# Altium PCB WIoT-QC01_V100.PcbDoc (continued)
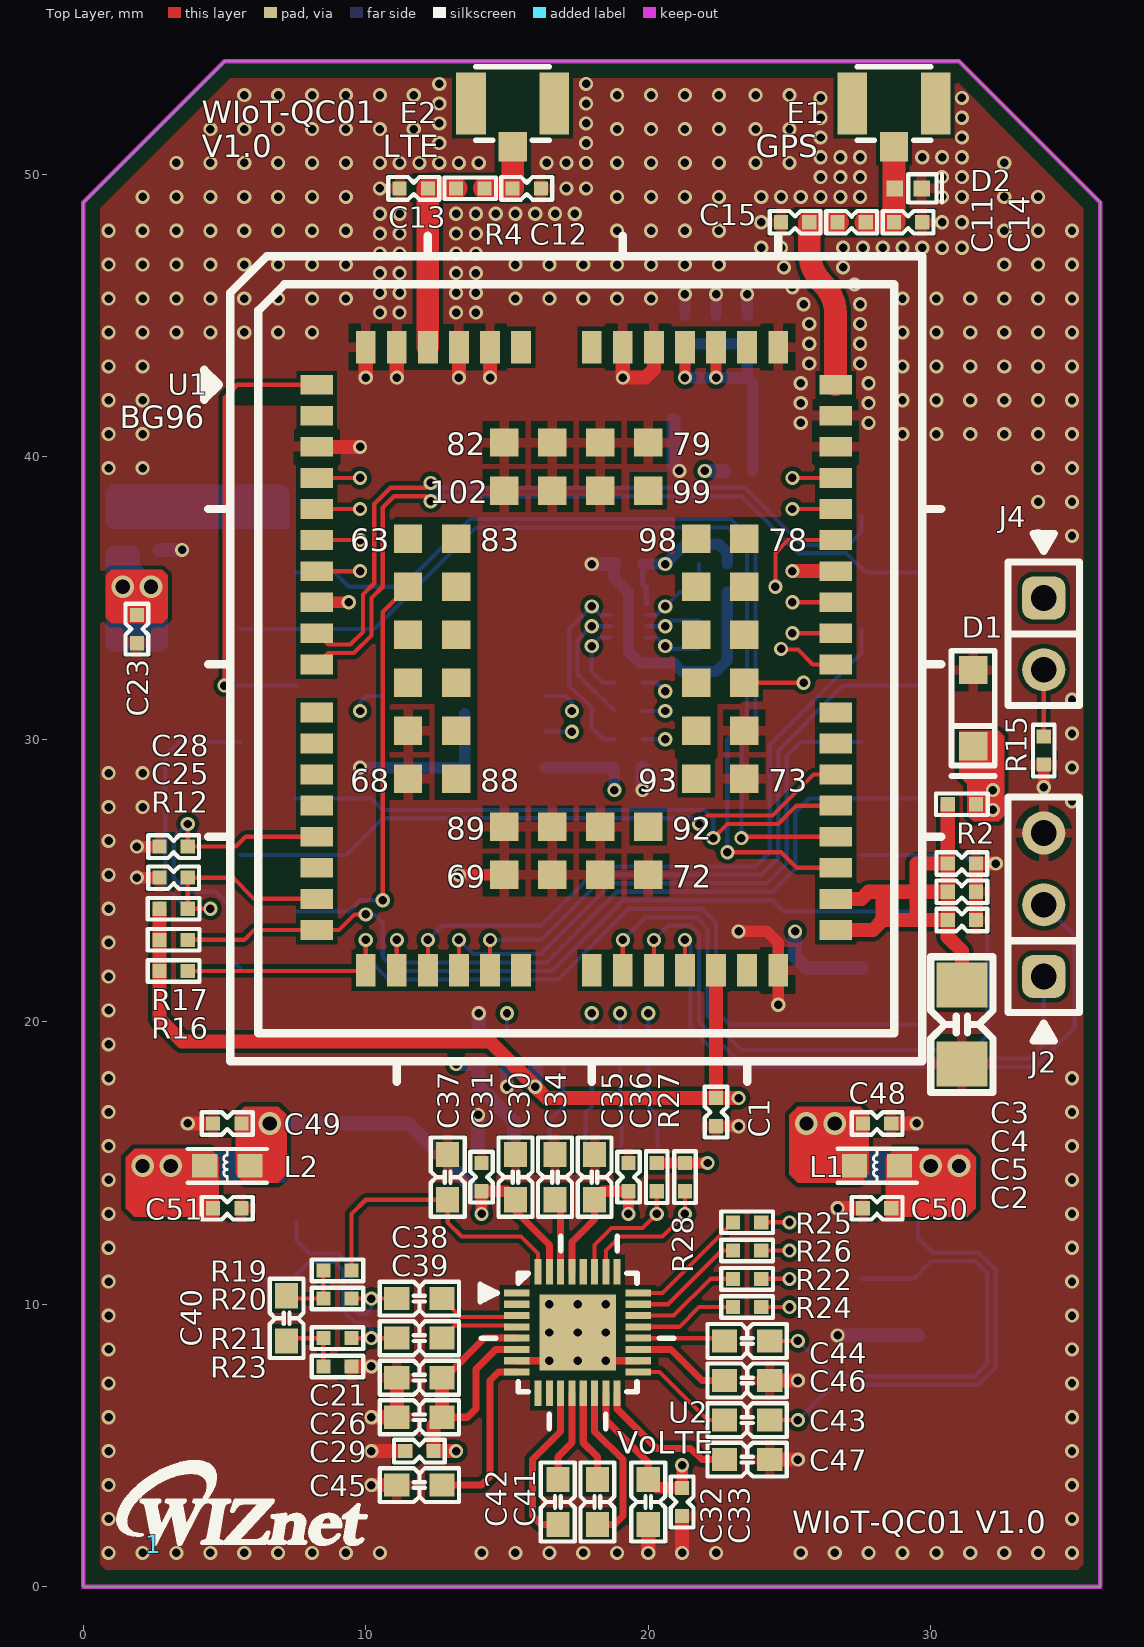
[diagram p0: Top Layer view]
## Footprints (in the part's own frame and the unit in brackets; to place one, negate y for a bottom-side part, rotate by r counter-clockwise, add the part's x,y. Pads: shape width x height; smd on the part's side, far side on the other; paste and mask are expansions set on the pad) (continued)
  rect 1.3x0.45 smd: GND1(-12.86,6.27) GND2(-10.86,6.27) GND4(-12.86,-6.27) GND5(-10.86,-6.27)
  rect 1.7x1.4 smd: GND3(-1.3,6.105) GND6(-1.3,-6.105)
  silkscreen extent -15.45,-6.32 0,6.32, body extent -15.45,-6.52 0,6.53, height 1.41
PWSON08(0.4/1.45X1.8) [mm]
  rect 0.5x0.2 smd: 1(-0.625,0.6) 2(-0.625,0.2) 3(-0.625,-0.2) 4(-0.625,-0.6) 5(0.625,-0.6) 6(0.625,-0.2) 7(0.625,0.2) 8(0.625,0.6)
  rect 0.4x1.2 smd: 9(0,0)
  silkscreen extent -1.1,-0.9 0.72,0.9, body extent -0.66,-0.85 0.66,0.85, height 0.8
QFN32(0.4/4X4) [mm]
  rect 0.9x0.25 smd: 1(-2.15,1.4) 2(-2.15,1) 3(-2.15,0.6) 4(-2.15,0.2) 5(-2.15,-0.2) 6(-2.15,-0.6) 7(-2.15,-1) 8(-2.15,-1.4) 17(2.15,-1.4) 18(2.15,-1) 19(2.15,-0.6) 20(2.15,-0.2) 21(2.15,0.2) 22(2.15,0.6) 23(2.15,1) 24(2.15,1.4)
  rect 0.25x0.9 smd: 9(-1.4,-2.15) 10(-1,-2.15) 11(-0.6,-2.15) 12(-0.2,-2.15) 13(0.2,-2.15) 14(0.6,-2.15) 15(1,-2.15) 16(1.4,-2.15) 25(1.4,2.15) 26(1,2.15) 27(0.6,2.15) 28(0.2,2.15) 29(-0.2,2.15) 30(-0.6,2.15) 31(-1,2.15) 32(-1.4,2.15)
  rect 2.7x2.7 smd: 33(0,0)
  silkscreen extent -3.45,-3.4 3.4,3.4, body extent -2.1,-2.1 2.1,2.1, height 0.76
"QUECTEL CAT M1" [mm]
  rect 3.5x0.89 smd: 1(0,0) 2(-2,-2) 3(0,-4) 4(-2,-6) 5(0,-8) 6(-2,-10) 7(0,-12) 8(-2,-14) 9(0,-16) 10(-2,-18) 11(-22,0) 12(-24,-2) 13(-22,-4) 14(-24,-6) 15(-22,-8) 16(-24,-10) 17(-22,-12) 18(-24,-14) 19(-22,-16) 20(-24,-18)
  silkscreen extent -26.01,-19 2,2
RES-0402 [mm]
  rect 0.5x0.5 smd: 1(-0.5,0) 2(0.5,0)
  silkscreen extent -0.91,-0.38 0.91,0.38, body extent -0.5,-0.25 0.5,0.25, height 0.35
SOD-323 [mm]
  rect 1x1 smd: 1(-1.35,0) 2(1.35,0)
  silkscreen extent -2.03,-0.76 2.4,0.76, body extent -1.35,-0.68 1.35,0.67, height 0.79
SOD-923(1-C,2-A) [mm]
  rect 0.5x0.5 smd: 1(0.5,0.001) 2(-0.5,0.001)
  silkscreen extent -0.89,-0.38 1.14,0.38, body extent -0.52,-0.32 0.53,0.33, height 0.43

## Part data
C1 C3 C4 C5 C7 C8 C9 C23 C24 C25 C28 C48 C49 C50 C51: library part CAP-0805, "Ceramic CAP 0402"
C2 C6 C22: library part CAP, "Electrolytic Capacitors"
C10 C11 C12 C13 C14 C15 C16 C17 C18 C19 C20 C29 C31 C33 C36: library part CAP-0402, "Ceramic CAP 0402(1005)"
C21 C26 C30 C32 C34 C35 C37 C38 C39 C40 C41 C42 C43 C44 C45 C46 C47: library part CAP-0603, "Ceramic CAP 0603(1608)"
D1: library part DIODE-PZ3D4V2H, "Zener 5.1V"
D2: library part DIODE-LXES15AAA1, "Bi-directional TVS diode"
D4: "Uni-directional TVS diode"
E1: library part Antenna, "Generic Antenna"
E2: "Generic Antenna"
J1: library part Xbee_pin-header, "Xbee_pin-header, WizFi310, LoRa, LTE CAT M1"
L1 L2 L3: library part IND-0603, "Inductor 0603(1608)"
P2: "Micro SIM SMT 1.45mm Push/Pull"
R1 R2 R3 R4 R5 R6 R7 R8 R9 R10 R11 R12 R15 R16 R17 R18 R19 R20 R21 R22 R23 R24 R25 R26 R27 R28: library part RES-0402, "RES-0402"
U1: library part BG96_Quectel, "Quectel, BG96, LTE CAT M1 module,"
U2: "AUDIO CODEC with QUECTEL VOLTE"
U4: "ESD Protection SIM"

## Via types
v1: diameter 0.5, hole 0.3, Top Layer to Bottom Layer, tented both sides, 439 vias
v2: diameter 0.8, hole 0.5, Top Layer to Bottom Layer, tented both sides, 9 vias

## Nets (pads, with @x,y where several pads share a name; then routed paths per layer and width w, separated by ;. In a path a pad name is that pad's centre, name@x,y a point inside that pad or via, vN(x,y) a via of type N, cw(c..) or ccw(c..) an arc to the next point about the centre after c; other vN are vias at no path point)
ANT_GNSS: C11.1 C15.2 U1.49 | length 7
  Top Layer w0.8: U1.49 26.63,45.062 ccw(c25.162,45.062) 26.2,46.1 cw(c27.407,47.307) 25.7,47.307 C15.2 C11.1
ANT_MAIN: C13.1 R4.2 U1.60 | length 6.6
  Top Layer w0.8: U1.60 C13.1 R4.2
AP_READY: J1.20 R16.2 U1.19 | length 32.4
  Top Layer w0.15: R16.2 9.98,21.8 U1.19 v1(10,22.9)
  Bottom Layer w0.15: v1(10,22.9) 10,22.3 10.8,21.5 16.8,21.5 19.3,24 21.9,24 22.4,23.5 22.4,20.4 22.9,19.9 J1.20
BOOT: J4.2 R15.1 U1.75 | length 20.1
  Top Layer w0.15: U1.75 v1(25.5,32) ; R15.1 J4.2
  Signal Layer 1 w0.15: v1(25.5,32) 27,32 31.4,36.4 34.7,36.4 35.2,35.9 35.2,33.66 J4.2
CODEC_PCM_CLK: R25.1 U1.4 | length 46
  Top Layer w0.15: U1.4 v1(9.8,39.25) ; R25.1 v1(25,12.9)
  Signal Layer 1 w0.15: v1(9.8,39.25) 10.9,38.15 10.9,33.8 9.2,32.1 9.2,13.1 9.7,12.6 22.3,12.6 22.6,12.9 v1(25,12.9)
CODEC_PCM_IN: R24.1 U1.6 | length 45.4
  Top Layer w0.15: U1.6 v1(9.8,37.05) ; R24.1 v1(25,9.9)
  Signal Layer 1 w0.15: v1(9.8,37.05) 10.3,36.55 10.3,34.2 8.6,32.5 8.6,12.7 9.3,12 22.1,12 24.2,9.9 v1(25,9.9)
CODEC_PCM_OUT: R22.1 U1.7 | length 46.8
  Top Layer w0.15: U1.7 v1(9.8,35.95) ; R22.1 v1(25,10.9)
  Signal Layer 1 w0.15: v1(9.8,35.95) 10,35.75 10,34.4 8.3,32.7 8.3,12.5 9.1,11.7 21.9,11.7 24.2,9.4 25.2,9.4 25.5,9.7 25.5,10.4 v1(25,10.9)
CODEC_PCM_SYNC: R26.1 U1.5 | length 45.3
  Top Layer w0.15: U1.5 v1(9.8,38.15) ; R26.1 v1(25,11.9)
  Signal Layer 1 w0.15: v1(9.8,38.15) 10.6,37.35 10.6,34 8.9,32.3 8.9,12.9 9.5,12.3 22.3,12.3 22.7,11.9 v1(25,11.9)
EXT_1.8V: C21.2 C26.2 C29.2 C32.2 C33.2 C35.2 C36.2 C48.1 L1.2 R27.2 R28.2 U2.5 U2.6 U2.15 U2.29 | length 23.8
  Top Layer w0.25: C26.2 13.6,6 13.9,6.3 13.9,7.7 14.6,8.4 U2.6 ; C21.2 12.8,7.4 14.2,8.8 U2.5 ; U2.29 17.3,12.2 18.1,13 C35.2 ; U2.15 18.5,5.9 20,4.4 C32.2
  Top Layer w0.4: C35.2 18.4,14 C36.2 v1(19.3,13.2) ; C32.2 20.3,3.5 C33.2 v1(21.2,4.3) ; R27.2 R28.2 v1(22.1,15)
  Top Layer w0.5: C21.2 C26.2 12.4,5.7 C29.2 v1(13.2,4.8)
  other v2: 25.6,16.4 26.6,16.4
EXT_3.3V: C30.2 C31.2 C49.1 L2.1 U2.31 | length 14.3
  Top Layer w0.25: C30.2 15.3,13.3 16.5,12.1 U2.31
  Top Layer w0.4: v1(14.1,13.2) C31.2 15,14 C30.2
  Bottom Layer w0.5: v2(6.6,16.4) 11.5,16.4 14.1,13.8 v1(14.1,13.2)
GND: C1.2 C2.2 C3.2 C4.2 C5.2 C6.2 C7.2 C8.2 C9.2 C10.2 C12.2 C13.2 C14.1 C15.1 C16.1 C17.1 C18.1 C19.1 C20.1 C21.1 C22.2 C23.2 C24.2 C25.2 C26.1 C28.2 C29.1 C30.1 C31.1 C32.1 C33.1 C34.1 C35.1 C36.1 C37.1 C45.1 C46.1 C47.1 C48.2 C49.2 C50.1 C51.2 D1.1 D2.2 D4.2 J1.10 J2.3 J3.4 J5.4 P2.C5 P2.GND1 P2.GND2 P2.GND3 P2.GND4 P2.GND5 P2.GND6 P3.1 P3.9 R15.2 R23.1 U1.3 U1.31 U1.47 U1.48 U1.50 U1.54 U1.55 U1.58 U1.59 U1.61 U1.62 U1.67 U1.68 U1.69 U1.70 U1.71 U1.72 U1.73 U1.74 U1.79 U1.80 U1.81 U1.82 U1.89 U1.90 U1.91 U1.100 U1.101 U1.102 U2.7 U2.18 U2.33 U4.9 | length 64.8
  Top Layer w0.25: U2.7 v1(16.5,8) ; v1(18.5,8) U2.18
  Top Layer w0.3: v1(16.5,8) v1(17.5,9) v1(18.5,8)
  Top Layer w0.4: v1(1.9,25.1) C25.2 ; v1(1.9,26.2) C28.2 ; v1(13.3,25.2) U1.69 ; C1.2 v1(23.2,16.3) ; v1(23.2,23.2) 24.2,23.2 24.6,22.8 U1.31 v1(24.6,20.6) ; U1.47 U1.47@26.65,40.35 ; v1(34,28.3) R15.2
  Top Layer w0.5: v1(3.7,16.4) C49.2 ; U1.3 v1(9.8,40.35) ; R23.1 v1(10.2,7.8) ; v1(10.2,4.8) C29.1 ; v1(10.2,6) C26.1 C21.1 ; v1(10.2,3.6) C45.1 ; v1(19.1,42.8) 19.9,42.8 20.2,43.1 U1.54 ; v1(20,1.2) C32.1 ; v1(21.2,1.2) C33.1 ; C47.1 v1(25.3,4.5) ; C46.1 v1(25.3,7.3) ; v1(26.7,13.4) C50.1 ; C48.2 v1(29.5,16.4) ; C5.2 C4.2 C3.2 v1(32.3,25.6)
  Top Layer w0.508: v1(10,42.8) U1.62 ; v1(11.1,42.8) U1.61 ; v1(13.3,42.8) U1.59 ; v1(14.4,42.8) U1.58 ; v1(19.1,42.8) U1.55
  Bottom Layer w0.4: v1(9.8,28.995) P3.1 13.395,28.995 13.5,29.1 P3.9 ; C10.2 18.8,35.7 19.3,35.2 U4.9 19.3,33.1 19.7,32.7 20.9,32.7 21.2,32.4 22.4,32.4 22.8,32.8 C20.1 C19.1 C18.1 ; C9.2 v1(21.3,45.75) ; C8.2 v1(22.4,45.75) ; C7.2 v1(23.5,45.75)
  Bottom Layer w0.5: C24.2 v1(3.5,36.7) ; P2.C5 v1(13.975,16.7) ; C16.1 v1(14,20.3) ; v1(15.001,17.701) D4.2 ; v1(18,36.2) C10.2 ; v1(19.8,28.2) C17.1 ; C6.2 20.9,39.7 v1(21.1,39.5) ; v1(26.7,8.9) J5.4
  other v1: 0.9,1.2 2.1,1.2 3.3,1.2 4.5,1.2 5.7,1.2 6.9,1.2 8.1,1.2 9.3,1.2 10.5,1.2 14.1,1.2 15.3,1.2 16.5,1.2 17.7,1.2 18.9,1.2 22.4,1.2 25.4,1.2 26.6,1.2 27.8,1.2 29,1.2 30.2,1.2 31.4,1.2 32.6,1.2 33.8,1.2 35,1.2 0.9,2.4 35,2.4 0.9,3.6 35,3.6 0.9,4.8 35,4.8 0.9,6 35,6 0.9,7.2 35,7.2 17.5,8 0.9,8.4 35,8.4 16.5,9 18.5,9 0.9,9.6 35,9.6 16.5,10 17.5,10 18.5,10 0.9,10.8 35,10.8 0.9,12 35,12 0.9,13.2 35,13.2 0.9,14.4 35,14.4 0.9,15.6 35,15.6 0.9,16.8 35,16.8 0.9,18 35,18 0.9,19.2 0.9,20.4 0.9,21.6 0.9,22.8 0.9,24 0.9,25.2 0.9,26.4 0.9,27.6 2.1,27.6 35,27.8 0.9,28.8 2.1,28.8 35,29 35,30.2 35,31.4 33.8,37.2 35,37.2 33.8,38.4 35,38.4 0.9,39.6 2.1,39.6 33.8,39.6 35,39.6 0.9,40.8 2.1,40.8 29,40.8 30.2,40.8 31.4,40.8 32.6,40.8 33.8,40.8 35,40.8 25.4,41.2 27.8,41.2 25.4,41.9 27.8,41.9 0.9,42 2.1,42 29,42 30.2,42 31.4,42 32.6,42 33.8,42 35,42 25.4,42.6 27.8,42.6 0.9,43.2 2.1,43.2 29,43.2 30.2,43.2 31.4,43.2 32.6,43.2 33.8,43.2 35,43.2 25.7,43.3 27.5,43.3 25.7,44 27.5,44 0.9,44.4 2.1,44.4 3.3,44.4 4.5,44.4 5.7,44.4 6.9,44.4 8.1,44.4 29,44.4 30.2,44.4 31.4,44.4 32.6,44.4 33.8,44.4 35,44.4 25.7,44.7 27.5,44.7 10.5,45.1 11.2,45.1 13.2,45.1 13.9,45.1 25.5,45.4 27.5,45.4 0.9,45.6 2.1,45.6 3.3,45.6 4.5,45.6 5.7,45.6 6.9,45.6 8.1,45.6 9.3,45.6 15.3,45.6 16.5,45.6 17.7,45.6 18.9,45.6 20.1,45.6 29,45.6 30.2,45.6 31.4,45.6 32.6,45.6 33.8,45.6 35,45.6 10.5,45.8 11.2,45.8 13.2,45.8 13.9,45.8 25.1,46 27.3,46.1 10.5,46.5 11.2,46.5 13.2,46.5 13.9,46.5 24.8,46.7 26.9,46.7 0.9,46.8 2.1,46.8 3.3,46.8 4.5,46.8 5.7,46.8 6.9,46.8 8.1,46.8 9.3,46.8 15.3,46.8 16.5,46.8 17.7,46.8 18.9,46.8 20.1,46.8 21.3,46.8 22.5,46.8 32.6,46.8 33.8,46.8 35,46.8 10.5,47.2 11.2,47.2 13.2,47.2 13.9,47.2 24,47.4 24.7,47.4 26.9,47.4 27.6,47.4 28.3,47.4 29,47.4 29.7,47.4 30.4,47.4 31.1,47.4 10.5,47.9 11.2,47.9 13.2,47.9 13.9,47.9 0.9,48 2.1,48 3.3,48 4.5,48 5.7,48 6.9,48 8.1,48 9.3,48 18.9,48 20.1,48 21.3,48 22.5,48 32.6,48 33.8,48 35,48 24,48.3 30.4,48.3 31.1,48.3 10.5,48.6 11.2,48.6 13.2,48.6 13.9,48.6 14.6,48.6 15.3,48.6 16,48.6 16.7,48.6 17.4,48.6 2.1,49.2 3.3,49.2 4.5,49.2 5.7,49.2 6.9,49.2 8.1,49.2 9.3,49.2 18.9,49.2 20.1,49.2 21.3,49.2 22.5,49.2 24,49.2 24.7,49.2 25.4,49.2 26.1,49.2 26.8,49.2 27.5,49.2 30.4,49.2 31.1,49.2 32.6,49.2 33.8,49.2 10.5,49.5 17.1,49.5 17.8,49.5 26.1,49.9 26.8,49.9 27.5,49.9 30.4,49.9 31.1,49.9 3.3,50.4 4.5,50.4 5.7,50.4 6.9,50.4 8.1,50.4 9.3,50.4 10.5,50.4 11.2,50.4 11.9,50.4 12.6,50.4 13.3,50.4 14,50.4 16.4,50.4 17.1,50.4 17.8,50.4 18.9,50.4 20.1,50.4 21.3,50.4 22.5,50.4 23.8,50.4 25,50.4 32.6,50.4 26.1,50.6 26.8,50.6 27.5,50.6 29.7,50.6 30.4,50.6 31.1,50.6 12.6,51.1 17.8,51.1 26.1,51.3 31.1,51.3 4.5,51.6 5.7,51.6 6.9,51.6 8.1,51.6 9.3,51.6 10.5,51.6 11.7,51.6 18.9,51.6 20.1,51.6 21.3,51.6 22.5,51.6 23.8,51.6 25,51.6 12.6,51.8 17.8,51.8 26.1,52 31.1,52 12.6,52.5 17.8,52.5 26.1,52.7 31.1,52.7 5.7,52.8 6.9,52.8 8.1,52.8 9.3,52.8 10.5,52.8 11.7,52.8 18.9,52.8 20.1,52.8 21.3,52.8 22.5,52.8 23.8,52.8 25,52.8 12.6,53.2 17.8,53.2
GPIO26: J1.17 U1.26 | length 28.7
  Top Layer w0.15: U1.26 v1(19.1,22.9)
  Bottom Layer w0.15: v1(19.1,22.9) 19.9,23.7 21.7,23.7 22.1,23.3 22.1,20.2 23.3,19 31.5,19 32,19.5 32,25.1 31.2,25.9 J1.17
GPIO64: J1.8 U1.64 | length 14.7
  Top Layer w0.15: v1(10.6,24.3) 10.6,34.5 U1.64
  Bottom Layer w0.15: J1.8 9.4,23.9 9.8,24.3 v1(10.6,24.3)
I2C_SCL: R28.1 U1.40 U2.26 | length 29
  Top Layer w0.15: U2.26 18.5,11.9 19,12.4 20.5,12.4 v1(21.3,13.2) R28.1 ; v1(24.7,33.2) 24.725,33.175 25.3,33.175 25.825,32.65 U1.40
  Signal Layer 1 w0.15: v1(21.3,13.2) 21.3,18.4 24.4,21.5 24.4,28.3 24,28.7 24,32.9 24.3,33.2 v1(24.7,33.2)
I2C_SDA: R27.1 U1.41 U2.27 | length 29.4
  Top Layer w0.15: U2.27 18.1,12.1 18.7,12.7 19.8,12.7 v1(20.3,13.2) R27.1 ; v1(25.1,33.75) U1.41
  Signal Layer 1 w0.15: v1(20.3,13.2) 20.3,17.9 24.1,21.7 24.1,28.1 23.7,28.5 23.7,33.3 24.15,33.75 v1(25.1,33.75)
MIC+: C38.1 J3.2 R20.1 | length 7.2
  Top Layer w0.15: R20.1 v1(10.2,10.2) C38.1
  Bottom Layer w0.15: J3.2 7.552,12.248 8,11.8 9.024,11.8 9.5,11.324 9.5,9.9 9.75,9.65 10,9.65 10.2,9.85 v1(10.2,10.2)
MIC-: C39.1 J3.3 R21.2 | length 8.7
  Top Layer w0.15: R21.2 v1(10.2,8.8) C39.1
  Bottom Layer w0.15: J3.3 7.4,10.9 8,11.5 8.9,11.5 9.2,11.2 9.2,9.776 9.626,9.35 10,9.35 10.2,9.15 v1(10.2,8.8)
MICBIAS: C37.2 R19.2 U2.32 | length 10.7
  Top Layer w0.15: R19.2 9.5,13.2 10,13.7 C37.2 12.9,12.9 13.4,12.4 15.5,12.4 16.1,11.8 U2.32
NetC11_2: C11.2 C14.2 D2.1 E1.1 | length 3.7
  Top Layer w0.8: C11.2 C14.2 E1.1
NetC12_1: C12.1 E2.1 R4.1 | length 2.5
  Top Layer w0.8: R4.1 C12.1 ; C12.1 E2.1
NetC34_2: C34.2 U2.30 | length 2.6
  Top Layer w0.25: C34.2 16.9,13.5 U2.30
NetC38_2: C38.2 U2.3 | length 2.9
  Top Layer w0.15: C38.2 13.35,9.55 15,9.55 15.05,9.6 U2.3
NetC39_2: C39.2 U2.4 | length 2.9
  Top Layer w0.15: C39.2 13.15,9.25 14.95,9.25 15,9.2 U2.4
NetC40_1: C40.1 R21.1 R23.2 | length 2.3
  Top Layer w0.15: C40.1 7.3,8.8 R21.1 R23.2
NetC40_2: C40.2 R19.1 R20.2 | length 2.3
  Top Layer w0.15: C40.2 7.3,10.2 R20.2 R19.1
NetC41_1: C41.1 U2.14 | length 5.8
  Top Layer w0.25: U2.14 18.1,5.5 19.1,4.5 19.1,2.5 18.8,2.2 C41.1
NetC41_2: C41.2 U2.13 | length 3.3
  Top Layer w0.25: U2.13 17.7,5.1 18.2,4.6 C41.2
NetC42_1: C42.1 U2.12 | length 3.3
  Top Layer w0.25: C42.1 16.8,4.6 17.3,5.1 U2.12
NetC42_2: C42.2 U2.11 | length 5.8
  Top Layer w0.25: C42.2 16.2,2.2 15.9,2.5 15.9,4.5 16.9,5.5 U2.11
NetC43_1: C43.1 U2.17 | length 3.8
  Top Layer w0.15: U2.17 20.4,7.6 22.1,5.9 C43.1
NetC44_1: C44.1 U2.20 | length 3.1
  Top Layer w0.15: U2.20 22.6,8.8 C44.1
NetC45_2: C45.2 U2.8 | length 6.3
  Top Layer w0.25: C45.2 14.1,3.6 14.4,3.9 14.4,7.3 14.7,7.6 U2.8
NetC46_2: C46.2 U2.19 | length 3.5
  Top Layer w0.25: U2.19 20.8,8.4 21.9,7.3 C46.2
NetC47_2: C47.2 U2.16 | length 5.1
  Top Layer w0.25: U2.16 18.9,6.3 20.3,4.9 21.5,4.9 21.9,4.5 C47.2
NetC50_2: C50.2 J5.1 L1.1
  other v2: 30,14.9 31,14.9
NetC51_1: C51.1 J3.1 L2.2
  other v2: 2.1,14.9 3.1,14.9
NETLIGHT: J1.13 U1.21 | length 23.7
  Top Layer w0.15: U1.21 v1(12.2,22.9)
  Bottom Layer w0.15: v1(12.2,22.9) 12.7,23.4 16.2,23.4 18.3,25.5 23.8,25.5 24.3,26 24.3,29.8 27.552,33.052 J1.13
NetP2_C2: P2.C2 R18.2 | length 3
  Bottom Layer w0.15: P2.C2 17.785,16.785 18,17 R18.2
NetP2_C3: P2.C3 R6.2 | length 3.1
  Bottom Layer w0.15: R6.2 20,17 20.325,16.675 P2.C3
NetP2_C6: P2.C6 R8.1 | length 3.1
  Bottom Layer w0.15: P2.C6 16.515,16.515 17,17 R8.1
NetP2_C7: P2.C7 R5.1 | length 2.9
  Bottom Layer w0.15: R5.1 19,17 19.055,16.945 P2.C7
NetP3_3: P3.3 R11.1 | length 14.7
  Signal Layer 1 w0.15: v1(9.8,31) 9.8,29.8 10.3,29.3 20.2,29.3 20.6,29.7 v1(20.6,30)
  Bottom Layer w0.15: v1(9.8,31) 9.8,31.3 10.035,31.535 P3.3 ; R11.1 v1(20.6,30)
NetP3_6: P3.6 R10.2 | length 5.4
  Signal Layer 1 w0.15: v1(17.3,31) v1(20.6,31)
  Bottom Layer w0.15: P3.6 17.065,31.535 17.3,31.3 v1(17.3,31) ; R10.2 v1(20.6,31)
NetP3_7: P3.7 R9.2 | length 7.1
  Signal Layer 1 w0.15: v1(17.3,30.265) 16.8,30.765 16.8,31.4 17.1,31.7 v1(20.6,31.7)
  Bottom Layer w0.15: P3.7 v1(17.3,30.265) ; R9.2 20.3,32 v1(20.6,31.7)
NetR22_2: R22.2 U2.22 | length 3.9
  Top Layer w0.15: U2.22 20.9,9.6 22.2,10.9 R22.2
NetR24_2: R24.2 U2.21 | length 3.6
  Top Layer w0.15: U2.21 21.1,9.2 21.8,9.9 R24.2
NetR25_2: R25.2 U2.24 | length 4.4
  Top Layer w0.15: U2.24 20.5,10.4 R25.2
NetR26_2: R26.2 U2.23 | length 4.1
  Top Layer w0.15: U2.23 20.7,10 22.6,11.9 R26.2
PSM_IND: J1.4 U1.1 | length 16.2
  Top Layer w0.15: v1(5,31.9) 5,42.1 5.45,42.55 U1.1
  Bottom Layer w0.15: v1(5,31.9) J1.4
PWRKEY: C28.1 J1.9 U1.15 | length 12.4
  Top Layer w0.15: v1(3.7,27) C28.1 5.4,26.2 5.75,26.55 U1.15
  Bottom Layer w0.15: v1(3.7,27) 3.2,26.5 3.2,25.1 3.7,24.6 4.7,24.6 5.2,24.1 5.2,22.252 J1.9
RESET_N: C25.1 J1.5 R12.2 U1.17 | length 16.2
  Top Layer w0.15: v1(4.5,24) R12.2 C25.1 5.3,25.1 6.05,24.35 U1.17
  Bottom Layer w0.15: v1(4.5,24) 3.7,24 2.9,24.8 2.9,29.4 3.4,29.9 J1.5
SIMCLK: R6.1 R10.1 U4.2 | length 24.7
  Signal Layer 1 w0.15: v1(18,34) 18.6,34 20.1,32.5 21.1,32.5 21.5,32.1 21.5,28.5 18.3,25.3 18.3,20.9 18.5,20.7 18.5,20.1 18.8,19.8 19.5,19.8 v1(20,20.3)
  Bottom Layer w0.15: U4.2 v1(18,34) 17.5,33.5 17.5,32.3 R10.1 ; R6.1 v1(20,20.3)
SIMDATA: R5.2 R11.2 U4.3 | length 25.8
  Signal Layer 1 w0.15: v1(18,34.7) 18.4,34.7 20.3,32.8 21.3,32.8 21.8,32.3 21.8,28.3 18.6,25.1 18.6,21.1 19,20.7 v1(19,20.3)
  Bottom Layer w0.15: U4.3 18.3,34.4 v1(18,34.7) 17.2,33.9 17.2,31.9 18,31.1 18,30.4 18.4,30 R11.2 ; R5.2 v1(19,20.3)
SIMRST: R9.1 R18.1 U4.1 | length 20.2
  Signal Layer 1 w0.15: v1(18,20.3) 18,25.5 21.2,28.7 21.2,31.9 20.9,32.2 19.9,32.2 18.8,33.3 v1(18,33.3)
  Bottom Layer w0.15: R18.1 v1(18,20.3) ; U4.1 18.3,33.6 v1(18,33.3) 18,32.4 18.4,32 R9.1
SPK_L: C44.2 J5.3 | length 16.5
  Top Layer w0.15: C44.2 v1(25.3,8.7)
  Bottom Layer w0.15: v1(25.3,8.7) 26.55,7.45 31.55,7.45 32,7.9 32,11.1 31.568,11.532 30.032,11.532 29.4,10.9 J5.3
SPK_R: C43.2 J5.2 | length 16
  Top Layer w0.15: C43.2 v1(25.3,5.9)
  Bottom Layer w0.15: v1(25.3,5.9) 26.55,7.15 31.674,7.15 32.3,7.776 32.3,11.224 31.692,11.832 30.068,11.832 29.552,12.348 J5.2
STATUS: J1.16 U1.20 | length 23.7
  Top Layer w0.15: U1.20 v1(11.1,22.9)
  Bottom Layer w0.15: v1(11.1,22.9) 11.1,22.4 11.4,22.1 16.4,22.1 18.9,24.6 24.4,24.6 25.2,25.4 25.2,27.4 25.7,27.9 J1.16
U1_CTS: J1.6 U1.36 | length 20.5
  Top Layer w0.15: v1(22.3,26.5) 22.8,27 24.6,27 25.25,27.65 U1.36
  Bottom Layer w0.15: J1.6 10.2,27.9 10.6,27.5 22,27.5 22.3,27.2 v1(22.3,26.5)
U1_RTS: J1.7 U1.37 | length 22.4
  Top Layer w0.15: v1(21.8,27) 22.1,27.3 24.4,27.3 25.85,28.75 U1.37
  Bottom Layer w0.15: J1.7 9.3,25.9 10.6,27.2 21.6,27.2 v1(21.8,27)
U1_RXD: J1.3 U1.34 | length 34.9
  Top Layer w0.15: v1(22.8,26) 24.7,26 25.25,25.45 U1.34
  Bottom Layer w0.15: J1.3 10.3,33.9 13.9,37.5 22.8,37.5 23.5,36.8 23.5,30.7 22.8,30 v1(22.8,26)
U1_TXD: J1.2 U1.35 | length 31.8
  Top Layer w0.15: v1(23.3,26.5) 23.35,26.55 U1.35
  Bottom Layer w0.15: J1.2 8.9,35.9 9.4,35.4 11.3,35.4 13.7,37.8 22.924,37.8 23.8,36.924 23.8,30.5 23.3,30 v1(23.3,26.5)
U2_RXD: J1.15 U1.22 | length 20.9
  Top Layer w0.15: U1.22 v1(13.3,22.9)
  Bottom Layer w0.15: v1(13.3,22.9) 13.8,22.4 16.2,22.4 18.7,24.9 24.2,24.9 24.9,25.6 24.9,29.4 25.4,29.9 J1.15
U2_TXD: J1.14 U1.23 | length 22.2
  Top Layer w0.15: U1.23 v1(14.4,22.9)
  Bottom Layer w0.15: v1(14.4,22.9) 16.2,22.9 18.5,25.2 24,25.2 24.6,25.8 24.6,29.6 26.9,31.9 J1.14
U3_RXD: J2.2 U1.28 | length 23.8
  Top Layer w0.15: U1.28 v1(21.3,22.9)
  Bottom Layer w0.15: v1(21.3,22.9) 21.5,22.7 21.5,19.8 22.9,18.4 33.7,18.4 35.1,19.8 35.1,23.04 J2.2
U3_TXD: J2.1 U1.27 | length 21.5
  Top Layer w0.15: U1.27 v1(20.2,22.9)
  Bottom Layer w0.15: v1(20.2,22.9) 20.7,23.4 21.5,23.4 21.8,23.1 21.8,20 23.1,18.7 33.5,18.7 34,19.2 J2.1
USB_D+: J1.11 U1.9 | length 25.9
  Top Layer w0.15: U1.9 8.67,33.35 9.45,33.35 9.9,33.8 9.9,35.124 10.3,35.524 10.3,38.324 10.876,38.9 12.125,38.9 v1(12.3,39.075)
  Bottom Layer w0.15: v1(12.3,39.075) 12.475,38.9 23.424,38.9 25.444,36.88 27.08,36.88 27.552,37.352 J1.11
USB_D-: J1.12 U1.10 | length 27.4
  Top Layer w0.15: U1.10 8.67,33.05 9.574,33.05 10.2,33.676 10.2,35 10.6,35.4 10.6,38.2 11,38.6 12.125,38.6 v1(12.3,38.425)
  Bottom Layer w0.15: v1(12.3,38.425) 12.475,38.6 23.3,38.6 25.32,36.58 27.02,36.58 27.7,35.9 J1.12
USB_VBUS: J1.19 U1.8 | length 45.6
  Top Layer w0.4: U1.8 v1(9.4,34.85)
  Signal Layer 1 w0.5: v1(9.4,34.85) 9,35.25 9,40.6 9.5,41.1 24.5,41.1 26.2,39.4 26.2,33.7 24.7,32.2 24.7,29.2 25.2,28.7 v1(25.2,23.2)
  Bottom Layer w0.5: v1(25.2,23.2) 25.2,22.3 25.6,21.9 J1.19
USIM_CLK: C19.2 U1.46 U4.7 | length 11.9
  Top Layer w0.15: v1(25.1,39.25) U1.46
  Signal Layer 1 w0.15: v1(20.6,34) 22.1,34 25.6,37.5 25.6,38.75 v1(25.1,39.25)
  Bottom Layer w0.15: U4.7 v1(20.6,34) 20.8,34.2 C19.2
USIM_DATA: C18.2 R7.2 U1.45 U4.6 | length 11
  Top Layer w0.15: v1(25.1,38.15) U1.45
  Signal Layer 1 w0.15: v1(20.6,34.7) 22.3,34.7 25.1,37.5 v1(25.1,38.15)
  Bottom Layer w0.15: U4.6 20.3,34.4 v1(20.6,34.7) 21.1,35.2 C18.2 R7.2
USIM_DETECT: D4.1 R3.2 R8.2 U1.42 | length 28.8
  Top Layer w0.15: v1(25.1,34.85) U1.42
  Signal Layer 1 w0.15: v1(15.001,20.299) 15.001,19.899 15.4,19.5 21.4,19.5 23.8,21.9 23.8,27.9 23.4,28.3 23.4,33.7 24.55,34.85 v1(25.1,34.85)
  Bottom Layer w0.15: v1(15.001,20.299) D4.1 R8.2
USIM_RST: C20.2 U1.44 U4.8 | length 10.3
  Top Layer w0.15: v1(24.5,35.4) 24.5,36.6 24.95,37.05 U1.44
  Signal Layer 1 w0.15: v1(20.6,33.3) 21.9,33.3 24,35.4 v1(24.5,35.4)
  Bottom Layer w0.15: U4.8 20.3,33.6 v1(20.6,33.3) 20.7,33.2 C20.2
USIM_VDD: C10.1 C16.2 C17.2 P2.C1 P3.8 R7.1 U1.43 U4.5 | length 14.3
  Top Layer w0.5: v1(25.1,35.95) U1.43
  Bottom Layer w0.2: C10.1 19.8,35.5 19.925,35.375 U4.5
  Bottom Layer w0.4: P3.8 18.795,28.995 C17.2 v1(18.8,28.2) ; C10.1 v1(20.6,36.2) 21.3,36.9 22.5,36.9 22.8,36.6 R7.1
  Bottom Layer w0.5: v1(13.2,18.5) C16.2 14,17.7 15.245,16.455 P2.C1
VBAT: C22.1 C23.1 D1.2 L3.1 R1.1 R2.1 | length 0.7
  Bottom Layer w0.5: v1(22,39.5) R1.1
  other v1: 32.2,27.5 32.2,28.2
  other v2: 1.4,35.4 2.4,35.4
VBAT_BB: C2.1 C3.1 C4.1 C5.1 R2.2 U1.32 U1.33 | length 18.7
  Top Layer w0.5: U1.32 27.95,23.25 28.3,23.6 ; U1.33 27.55,24.35 27.8,24.6 28.3,24.6 ; 29.5,24.8 29.5,25.6 C3.1 ; R2.2 C3.1 ; C2.1 31.1,22.5 30.6,23 C5.1 ; 28.3,23.6 29.5,23.6 ; 28.3,23.6 28.3,24.6 ; 28.3,24.6 29.5,24.6 ; 29.5,23.6 29.5,24.6 ; 29.5,23.6 C5.1 ; 29.5,24.6 C4.1 ; C5.1 C4.1 ; C4.1 C3.1
VBAT_IN: C24.1 J1.1 L3.2
VBAT_RF: C6.1 C7.1 C8.1 C9.1 R1.2 U1.52 U1.53 | length 13.6
  Top Layer w0.4: v1(21.3,42.8) U1.53 ; v1(22.4,42.8) U1.52
  Bottom Layer w0.4: C6.1@23.675,41.725 C6.1@23.7,41.7 ; R1.2 C6.1 C6.1@23.7,41.7 ; v1(22.4,42.8) C8.1 ; v1(22.4,42.8) v1(21.3,42.8) C9.1 C8.1 ; v1(22.4,42.8) 23.5,42.8 ; C8.1 C7.1 23.5,42.8 ; 23.5,42.8 23.7,42.6 C6.1@23.7,41.7
VDD_EXT: C1.1 J4.1 R3.1 R12.1 R16.1 R17.1 U1.29 | length 56.1
  Top Layer w0.5: R12.1 R17.1 R16.1 2.7,20.1 3.5,19.3 14.4,19.3 v1(16,17.7) 16.4,17.3 C1.1 ; U1.29 C1.1 ; v1(23.2,17.3) C1.1
  Signal Layer 1 w0.5: v1(23.2,17.3) 25.8,17.3 26.5,18 26.5,30.1 31.4,35 J4.1
  Bottom Layer w0.5: v1(16,17.7) R3.1
W_DISABLE#: J1.18 R17.2 U1.18 | length 29
  Top Layer w0.15: R17.2 5.7,22.9 6.05,23.25 U1.18 9.05,23.25 9.6,23.8 v1(10,23.8)
  Bottom Layer w0.15: v1(10,23.8) 10.3,23.8 10.6,23.5 10.6,22.3 11.1,21.8 16.6,21.8 19.1,24.3 24.4,24.3 24.8,23.9 J1.18
pads on no net: E1.2 E1.3 E2.2 E2.3 P2.0 P3.2 P3.4 P3.5 U1.2 U1.11 U1.12 U1.13 U1.14 U1.16 U1.24 U1.25 U1.30 U1.38 U1.39 U1.51 U1.56 U1.57 U1.63 U1.65 U1.66 U1.76 U1.77 U1.78 U1.83 U1.84 U1.85 U1.86 U1.87 U1.88 U1.92 U1.93 U1.94 U1.95 U1.96 U1.97 U1.98 U1.99 U2.1 U2.2 U2.9 U2.10 U2.25 U2.28 U4.4

## Polygon pours and split planes (outlines as drawn)
GND on Top Layer "Top Layer-gnd" (solid, remove dead copper, pour order 0): 26.9,41.8 0.6,41.8 0.6,48.7 0.6,48.8 5.2,53.4 5.9,53.4 30.8,53.4 32.9,51.3 35.4,48.8 35.4,47.3 35.4,41.8
GND on Top Layer "Top Layer-gnd" (solid, remove dead copper, pour order 2): 0.6,41.8 0.6,0.8 0.8,0.6 35.2,0.6 35.4,0.8 35.4,41.8
GND on Signal Layer 1 "Top Layer-gnd" (solid, remove dead copper, pour order 4): 6.4,53.4 5.2,53.4 4.6,52.8 0.6,48.8 0.6,7.8 0.6,0.8 0.8,0.6 35.2,0.6 35.4,0.8 35.4,48.8 32,52.2 30.8,53.4 7.3,53.4
GND on Bottom Layer "Top Layer-gnd" (solid, remove dead copper, pour order 6): 5.2,53.4 0.6,48.8 0.6,45.5 0.6,0.8 0.8,0.6 35.2,0.6 35.4,0.8 35.4,48.8 30.8,53.4
USIM_VDD on Internal Plane 1 (split plane): 27.648,17.852 0.51,17.852 0.51,32.148 13.5,32.148 13.569,32.155 13.635,32.175 13.695,32.208 13.749,32.251 13.792,32.305 13.825,32.365 13.845,32.431 13.852,32.5 13.852,36.648 27.648,36.648
VBAT on Internal Plane 1 (split plane): 35.49,17.987 35.354,17.852 28.352,17.852 28.352,37 28.345,37.069 28.325,37.135 28.292,37.195 28.249,37.249 28.195,37.292 28.135,37.325 28.069,37.345 28,37.352 13.5,37.352 13.431,37.345 13.365,37.325 13.305,37.292 13.251,37.249 13.208,37.195 13.175,37.135 13.155,37.069 13.148,37 13.148,32.852 0.51,32.852 0.51,41.8 35.49,41.8
EXT_1.8V on Internal Plane 1 (split plane): 35.49,0.51 0.51,0.51 0.51,17.148 35.49,17.148

## Keep-outs
Keep-Out Layer:
  the board outline again, w0.15
  text ".Layer_Name" at 9.398,58.5 h1.52

## Other copper
Top Layer:
  region net VBAT: 1,34.1 0.8,34.3 0.8,35.8 1,36 2.8,36 3,35.8 3,34.3 2.8,34.1
  region net VBAT: 31,30.3 32.4,30.3 32.6,30.1 32.6,27.3 32.4,27.1 31.5,27.1 31.3,27.3 31.3,28.4 31,28.7
  region net NetC51_1: 4.8,13.1 1.8,13.1 1.5,13.4 1.5,15.2 1.8,15.5 4.5,15.5 4.8,15.2
  region net NetC50_2: 28.4,13.1 31.3,13.1 31.6,13.4 31.6,15.2 31.3,15.5 28.7,15.5 28.4,15.2
  region net EXT_1.8V: 27.8,14.6 27.5,14.3 25.3,14.3 25,14.6 25,16.7 25.3,17 27.5,17 27.8,16.7
  region net EXT_3.3V: 5.4,14.6 5.7,14.3 6.9,14.3 7.2,14.6 7.2,16.7 6.9,17 5.7,17 5.4,16.7
  pour cut-out: 14.3,53.8 14.3,51.2 16.1,51.2 16.1,53.8
  pour cut-out: 27.8,53.8 27.8,51.2 29.6,51.2 29.6,53.8
  pour cut-out: 11.648,43.055 12.752,43.055 12.752,48.948 15.85,48.948 15.85,51.5 14.55,51.5 14.55,50.052 11.648,50.052
  pour cut-out: 22.45,29.35 22.45,31.25 23.25,31.25 24.2,32.2 25.6,32.2 25.6,37.5 25.25,37.85 20.95,37.85 20.95,29.35
  pour cut-out: 12.45,27.85 13.95,27.85 13.95,37.85 11.05,37.85 10.8,37.6 10.927,37.473 10.927,31.25 12.45,31.25
  pour cut-out: 28.148,50.3 28.148,48.852 25.148,48.852 25.148,47.306 ccw(c27.406,47.306) 25.81,45.71 cw(c25.161,45.061) 26.078,45.061 26.078,43.05 25.905,43.05 25.905,42.05 27.355,42.05 27.355,43.05 27.182,43.05 27.182,45.064 ccw(c25.164,45.064) 26.591,46.491 cw(c27.409,47.309) 26.252,47.309 26.252,47.748 29.252,47.748 29.252,50.3 29.35,50.3 29.35,51.5 28.05,51.5 28.05,50.3
  text ".Layer_Name" at 9.298,58.5 h1.52
Signal Layer 1:
  pour cut-out: 14.3,53.8 14.3,51.2 16.1,51.2 16.1,53.8
  pour cut-out: 27.8,53.8 27.8,51.2 29.6,51.2 29.6,53.8
  pour cut-out: 11.648,43.055 12.752,43.055 12.752,48.948 15.85,48.948 15.85,51.5 14.55,51.5 14.55,50.052 11.648,50.052
  pour cut-out: 28.148,50.3 28.148,48.852 25.148,48.852 25.148,47.306 ccw(c27.406,47.306) 25.81,45.71 cw(c25.161,45.061) 26.078,45.061 26.078,43.05 25.905,43.05 25.905,42.05 27.355,42.05 27.355,43.05 27.182,43.05 27.182,45.064 ccw(c25.164,45.064) 26.591,46.491 cw(c27.409,47.309) 26.252,47.309 26.252,47.748 29.252,47.748 29.252,50.3 29.35,50.3 29.35,51.5 28.05,51.5 28.05,50.3
  text ".Layer_Name" at 9.298,58.5 h1.52
Bottom Layer:
  region net VBAT_IN: 1,37.45 0.8,37.65 0.8,38.8 1,39 7.1,39 7.3,38.8 7.3,37.45
  region net VBAT: 1,36.85 0.8,36.65 0.8,33.3 1,33.1 2.8,33.1 3,33.3 3,35.8 2.8,36 2.2,36 2,36.2 2,36.65 1.8,36.85
  region net VBAT: 32.6,27.3 32.4,27.1 32,27.1 31.8,27.3 31.8,28.4 32,28.6 32.4,28.6 32.6,28.4
  region net NetC51_1: 1.8,14.3 1.5,14.6 1.5,15.2 1.8,15.5 7.1,15.5 7.3,15.3 7.3,14.5 7.1,14.3
  region net NetC50_2: 31.304,15.5 31.604,15.2 31.604,14.6 31.304,14.3 26.004,14.3 25.804,14.5 25.804,15.3 26.004,15.5
  region net EXT_1.8V: 25.3,17 25,16.7 25,16.1 25.3,15.8 26.9,15.8 27.2,16.1 27.2,16.7 26.9,17
  pour cut-out: 14.3,51.2 16.1,51.2 16.1,53.8 14.3,53.8
  pour cut-out: 27.8,51.2 29.6,51.2 29.6,53.8 27.8,53.8
  text ".Layer_Name" at 9.298,58.5 h1.52
Internal Plane 1 (plane layer: these items are gaps in the copper):
  region: 5,54 0,49 0,41.8 36,41.8 36,49 31,54
  lines w0.7: 0,17.5 36,17.5 ; 0,32.5 13.5,32.5 13.5,37 28,37 28,17.5 ; 35.5,17.5 36,18
  text ".Layer_Name" at 9.398,58.5 h1.52

## Silkscreen, mask and mechanical layers (free items; w line width, h text height)
Top Overlay:
  text ".Layer_Name" at 9.298,58.5 h1.52
  text "WIoT-QC01" at 4.2,51.8 h0.8
  text "V1.0" at 4.2,50.6 h0.8
  text "LTE" at 10.6,50.6 h0.8
  text "GPS" at 23.8,50.6 h0.8
  text "BG96" at 1.3,41 h0.8
  text "VoLTE" at 18.9,4.7 h0.8
  text "WIoT-QC01 V1.0" at 25.1,1.9 h0.8
Bottom Overlay:
  lines w0.25: 25.083,3.2 34.1,3.2
  lines w0.254: 1.8,3.2 10.8,3.2
  text ".Layer_Name" at 9.298,58.5 h1.52
  text "e-SIM" at 14,27.2 h0.8
  text "J6" at 33,18.9 h0.8
  text "Micro-SIM" at 25.9,17.8 h0.8
  text "3.3V" at 3.2,15.4 h0.8
  text "1.8V" at 34,14.5 h0.8
  text "MIC+" at 3.2,12.5 h0.8
  text "SPK_R" at 35.2,12.5 h0.8
  text "MIC-" at 3.2,10.5 h0.8
  text "SPK_L" at 35.2,10.5 h0.8
  text "GND" at 3.2,8.5 h0.8
  text "GND" at 33.9,8.5 h0.8
  text "WIZnet.io" at 10.8,3.8 h0.76
  text "www.wiznetian.com" at 10.8,2.2 h0.64
  text "WIoT-QC01 V1.0" at 34.1,1.9 h0.8
Top Paste:
  text ".Layer_Name" at 9.398,58.5 h1.52
Bottom Paste:
  text ".Layer_Name" at 9.298,58.5 h1.52
Top Solder:
  text ".Layer_Name" at 9.398,58.5 h1.52
Bottom Solder:
  text ".Layer_Name" at 9.398,58.5 h1.52
Drill Guide:
  text ".Layer_Name" at 9.398,58.5 h1.52
Mechanical 2:
  lines w0.127: 41.686,16.329 67.848,16.329 ; 41.686,19.123 67.848,19.123 ; 40.34,4.975 ccw(c41.051,4.975) 41.051,4.264 68.229,4.264 ccw(c68.229,4.975) 68.94,4.975 68.94,24.203 ccw(c68.229,24.203) 68.229,24.914 41.051,24.914 ccw(c41.051,24.203) 40.34,24.203 40.34,4.975
  lines w0.15: 0,0 0,49 5,54 31,54 36,49 36,0 0,0
  text "BOARD NAME : WIoT-QC01" at 0,69.676 h1.52
  text "VERSION : V1.0" at 0,66.882 h1.52
  text "SIZE : 36mmX54mmX1.6T" at 0,64.088 h1.52
  text "GERBER DATE : 2019.02.20" at 0,61.294 h1.52
  text "LAYER :" at 0,58.5 h1.52
  text "Layer Stack Up Detail for:" at 41.813,22.806 h1.02
  text "WIoT-QC01 V1.0.PcbDoc" at 41.686,20.393 h1.27
  text "Layer Name : 4L  1.6T" at 41.813,17.218 h1.02
  text "Top Layer" at 41.686,13.535 h1.52
  text "Signal Layer 1" at 41.686,10.741 h1.52
  text "POWER" at 41.686,8.074 h1.52
  text "Bottom Layer" at 41.686,5.534 h1.52
  text "KS Technology artwork" at 40.34,0.2 h5.08
Drill Drawing:
  text ".Layer_Name" at 9.398,58.5 h1.52
  text ".Legend" at 42.372,27.632 h1.02

## Dimensions
0,0 to 36,0 on Mechanical 2
0,0 to 5,54 on Mechanical 2

## Text inside footprints (layer, text, board x,y; h text height)
P2: Bottom Overlay "C5" at 14.3,17.7 h0.8 r90; Bottom Overlay "C1" at 15.6,17.7 h0.8 r90; Bottom Overlay "C6" at 16.9,17.7 h0.8 r90; Bottom Overlay "C2" at 18.1,17.7 h0.8 r90; Bottom Overlay "C7" at 19.4,17.7 h0.8 r90; Bottom Overlay "C3" at 20.7,17.7 h0.8 r90
U1: Top Overlay "99" at 20.85,38.35 h0.8; Top Overlay "93" at 19.65,28.15 h0.8; Top Overlay "89" at 12.85,26.45 h0.8; Top Overlay "83" at 14.05,36.65 h0.8; Top Overlay "79" at 20.85,40.05 h0.8; Top Overlay "73" at 24.25,28.15 h0.8; Top Overlay "69" at 12.85,24.75 h0.8; Top Overlay "63" at 9.45,36.65 h0.8; Top Overlay "72" at 20.85,24.75 h0.8; Top Overlay "92" at 20.85,26.45 h0.8; Top Overlay "78" at 24.25,36.65 h0.8; Top Overlay "102" at 12.25,38.35 h0.8; Top Overlay "82" at 12.85,40.05 h0.8; Top Overlay "98" at 19.65,36.65 h0.8; Top Overlay "68" at 9.45,28.15 h0.8; Top Overlay "88" at 14.05,28.15 h0.8